# KiCad board rabbit_mask.kicad_pcb (continued)
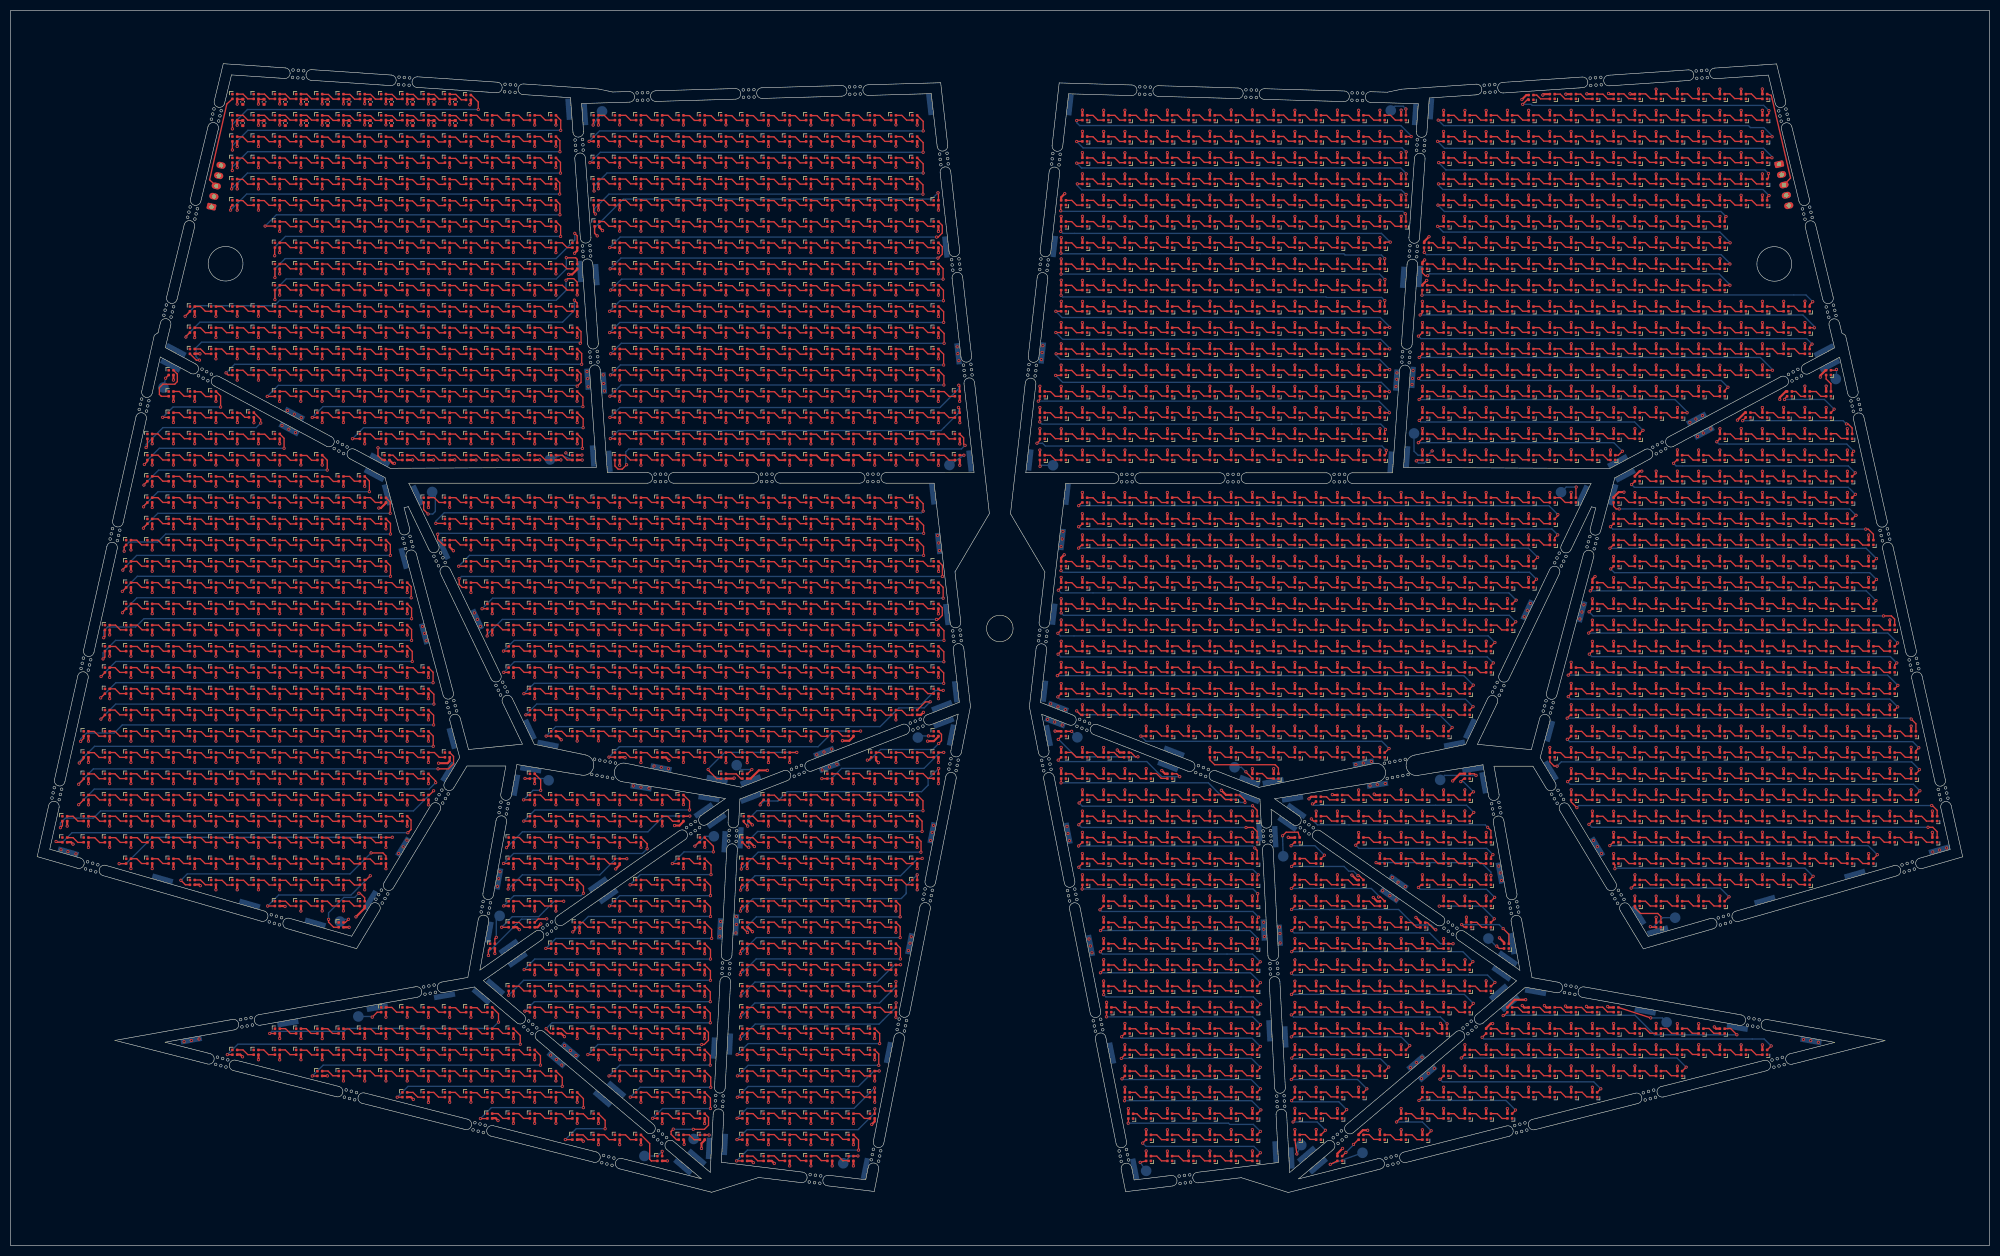
[diagram p0: board, top side]
## Nets (continued)
VCC: C1485.1 C1485#2.1 C1485#3.1 C1485#4.1 C1485#5.1 C1485#6.1 C1485#7.1 C1485#8.1 C1485#9.1 C1485#10.1 C1485#11.1 C1485#12.1 C1485#13.1 C1485#14.1 C1485#15.1 C1485#16.1 C1485#17.1 C1485#18.1 C1485#19.1 C1485#20.1 C1485#21.1 C1485#22.1 D1.2 D2.2 D3.2 D4.2 D5.2 D6.2 D7.2 D8.2 D9.2 D10.2 D11.2 D12.2 D13.2 D14.2 D15.2 D16.2 D17.2 D18.2 D19.2 D20.2 D21.2 D22.2 D23.2 D24.2 D25.2 D26.2 D27.2 D28.2 D29.2 D30.2 D31.2 D32.2 D33.2 D34.2 D35.2 D36.2 D37.2 D38.2 D39.2 D40.2 D41.2 D42.2 D43.2 D44.2 D45.2 D46.2 D47.2 D48.2 D49.2 D50.2 D51.2 D52.2 D53.2 D54.2 D55.2 D56.2 D57.2 D58.2 D59.2 D60.2 D61.2 D62.2 D63.2 D64.2 D65.2 D66.2 D67.2 D68.2 D69.2 D70.2 D71.2 D72.2 D73.2 D74.2 D75.2 D76.2 D77.2 D78.2 D79.2 D80.2 D81.2 D82.2 D83.2 D84.2 D85.2 D86.2 D87.2 D88.2 D89.2 D90.2 D91.2 D92.2 D93.2 D94.2 D95.2 D96.2 D97.2 D98.2 D99.2 D100.2 D101.2 D102.2 D103.2 D104.2 D105.2 D106.2 D107.2 D108.2 D110.2 D111.2 D112.2 D113.2 D114.2 D115.2 D116.2 D117.2 D118.2 D119.2 D120.2 D121.2 D122.2 D123.2 D124.2 D125.2 D126.2 D127.2 D128.2 D129.2 D130.2 D131.2 D132.2 D133.2 D134.2 D135.2 D136.2 D137.2 D138.2 D139.2 D140.2 D141.2 D143.2 D144.2 D145.2 D146.2 D147.2 D148.2 D149.2 D150.2 D151.2 D152.2 D153.2 D154.2 D155.2 D156.2 D157.2 D158.2 D159.2 D160.2 D161.2 D162.2 D163.2 D164.2 D165.2 D166.2 D167.2 D168.2 D169.2 D170.2 D171.2 D172.2 D173.2 D174.2 D175.2 D179.2 D180.2 D181.2 D182.2 D183.2 D184.2 D185.2 D186.2 D187.2 D188.2 D189.2 D190.2 D191.2 D192.2 D193.2 D194.2 D195.2 D196.2 D197.2 D198.2 D199.2 D200.2 D201.2 D202.2 D203.2 D204.2 D205.2 D206.2 D207.2 D208.2 D209.2 D210.2 D211.2 D212.2 D213.2 D214.2 D215.2 D216.2 D217.2 D218.2 D219.2 D220.2 D221.2 D222.2 D223.2 D224.2 D225.2 D226.2 D227.2 D228.2 D229.2 D230.2 D231.2 D232.2 D233.2 D234.2 D235.2 D236.2 D237.2 D238.2 D239.2 D240.2 D241.2 D242.2 D243.2 D244.2 D245.2 D246.2 D247.2 D248.2 D249.2 D250.2 D251.2 D252.2 D253.2 D254.2 D255.2 D256.2 D257.2 D258.2 D259.2 D260.2 D261.2 D262.2 D263.2 D264.2 D265.2 D266.2 D267.2 D268.2 D269.2 D270.2 D271.2 D272.2 D273.2 D274.2 D275.2 D276.2 D277.2 D278.2 D279.2 D280.2 D281.2 D282.2 D283.2 D284.2 D285.2 D286.2 D287.2 D288.2 D289.2 D290.2 D291.2 D292.2 D293.2 D294.2 D295.2 D296.2 D297.2 D298.2 D299.2 D300.2 D301.2 D302.2 D303.2 D304.2 D305.2 D306.2 D307.2 D308.2 D309.2 D310.2 D311.2 D312.2 D313.2 D314.2 D315.2 D316.2 D317.2 D318.2 D319.2 D320.2 D321.2 D322.2 D323.2 D324.2 D325.2 D326.2 D327.2 D328.2 D329.2 D330.2 D331.2 D332.2 D333.2 D334.2 D335.2 D336.2 D337.2 D338.2 D339.2 D340.2 D341.2 D342.2 D343.2 D344.2 D345.2 D346.2 D347.2 D348.2 D349.2 D350.2 D351.2 D352.2 D353.2 D354.2 D355.2 D356.2 D357.2 D358.2 D359.2 D360.2 D361.2 D362.2 D363.2 D364.2 D365.2 D366.2 D367.2 D368.2 D369.2 D370.2 D371.2 D372.2 D373.2 D374.2 D375.2 D376.2 D377.2 D378.2 D379.2 D380.2 D381.2 D382.2 D383.2 D384.2 D385.2 D386.2 D387.2 D388.2 D389.2 D390.2 D391.2 D392.2 D393.2 D394.2 D395.2 D396.2 D397.2 D398.2 D399.2 D400.2 D401.2 D402.2 D403.2 D404.2 D405.2 D406.2 D407.2 D408.2 D409.2 D410.2 D411.2 D412.2 D413.2 D414.2 D415.2 D416.2 D417.2 D418.2 D419.2 D420.2 D421.2 D422.2 D423.2 D424.2 D425.2 D426.2 D427.2 D428.2 D429.2 D430.2 D431.2 D432.2 D433.2 D434.2 D435.2 D436.2 D437.2 D438.2 D439.2 D440.2 D441.2 D442.2 D443.2 D444.2 D445.2 D446.2 D447.2 D448.2 D449.2 D450.2 D451.2 D452.2 D453.2 D454.2 D455.2 D456.2 D457.2 D458.2 D459.2 D460.2 D461.2 D462.2 D463.2 D464.2 D465.2 D466.2 D467.2 D468.2 D469.2 D470.2 D471.2 D472.2 D473.2 D474.2 D475.2 D476.2 D477.2 D478.2 D479.2 D480.2 D481.2 D482.2 D483.2 D484.2 D485.2 D486.2 D487.2 D488.2 D489.2 D490.2 D491.2 D492.2 D493.2 D494.2 D495.2 D496.2 D497.2 D498.2 D499.2 D500.2 D501.2 D502.2 D503.2 D504.2 D505.2 D506.2 D507.2 D508.2 D509.2 D510.2 D511.2 D512.2 D513.2 D514.2 D515.2 D516.2 D517.2 D518.2 D519.2 D520.2 D521.2 D522.2 D523.2 D524.2 D525.2 D526.2 D527.2 D528.2 D529.2 D530.2 D531.2 D532.2 D533.2 D534.2 D535.2 D536.2 D537.2 D538.2 D539.2 D540.2 D541.2 D542.2 D543.2 D544.2 D545.2 D546.2 D547.2 D548.2 D549.2 D550.2 D551.2 D552.2 D553.2 D554.2 D555.2 D556.2 D557.2 D558.2 D559.2 D560.2 D561.2 D562.2 D563.2 D564.2 D565.2 D566.2 D567.2 D568.2 D569.2 D570.2 D571.2 D572.2 D573.2 D574.2 D575.2 D576.2 D577.2 D578.2 D579.2 D580.2 D581.2 D582.2 D583.2 D584.2 D585.2 D586.2 D587.2 D588.2 D589.2 D590.2 D591.2 D592.2 D593.2 D594.2 D595.2 D596.2 D597.2 D598.2 D599.2 D600.2 D601.2 D602.2 D603.2 D604.2 D605.2 D606.2 D607.2 D608.2 D609.2 D610.2 D611.2 D612.2 D613.2 D614.2 D615.2 D616.2 D617.2 D618.2 D619.2 D620.2 D621.2 D622.2 D623.2 D624.2 D625.2 D626.2 D627.2 D628.2 D629.2 D630.2 D631.2 D632.2 D633.2 D634.2 D635.2 D636.2 D637.2 D638.2 D639.2 D640.2 D641.2 D642.2 D643.2 D644.2 D645.2 D646.2 D647.2 D648.2 D649.2 D650.2 D651.2 D652.2 D653.2 D654.2 D655.2 D656.2 D657.2 D658.2 D659.2 D660.2 D661.2 D662.2 D663.2 D664.2 D665.2 D666.2 D667.2 D668.2 D669.2 D670.2 D671.2 D672.2 D673.2 D674.2 D675.2 D676.2 D677.2 D678.2 D679.2 D680.2 D681.2 D682.2 D683.2 D684.2 D685.2 D686.2 D687.2 D688.2 D689.2 D690.2 D691.2 D692.2 D693.2 D694.2 D695.2 D696.2 D697.2 D698.2 D699.2 D700.2 D701.2 D702.2 D703.2 D704.2 D705.2 D706.2 D707.2 D708.2 D709.2 D710.2 D711.2 D712.2 D713.2 D714.2 D715.2 D716.2 D717.2 D718.2 D719.2 D720.2 D721.2 D722.2 D723.2 D724.2 D725.2 D726.2 D727.2 D728.2 D729.2 D730.2 D731.2 D732.2 D733.2 D734.2 D735.2 D736.2 D737.2 D738.2 D739.2 D740.2 D741.2 D742.2 D743.2 D744.2 D745.2 D746.2 D747.2 D748.2 D749.2 D750.2 D751.2 D752.2 D753.2 D754.2 D755.2 D756.2 D757.2 D758.2 D759.2 D760.2 D761.2 D762.2 D763.2 D764.2 D765.2 D766.2 D767.2 D768.2 D769.2 D770.2 D771.2 D772.2 D773.2 D774.2 D775.2 D776.2 D777.2 D778.2 D779.2 D780.2 D781.2 D782.2 D783.2 D784.2 D785.2 D786.2 D787.2 D788.2 D789.2 D790.2 D791.2 D792.2 D793.2 D794.2 D795.2 D796.2 D797.2 D798.2 D799.2 D800.2 D801.2 D802.2 D803.2 D804.2 D805.2 D806.2 D807.2 D808.2 D809.2 D810.2 D811.2 D812.2 D813.2 D814.2 D815.2 D816.2 D817.2 D818.2 D819.2 D820.2 D821.2 D822.2 D823.2 D824.2 D825.2 D826.2 D827.2 D828.2 D829.2 D830.2 D831.2 D832.2 D833.2 D834.2 D835.2 D836.2 D837.2 D838.2 D839.2 D840.2 D841.2 D842.2 D843.2 D844.2 D845.2 D846.2 D847.2 D848.2 D849.2 D850.2 D851.2 D852.2 D853.2 D854.2 D855.2 D856.2 D857.2 D858.2 D859.2 D860.2 D861.2 D862.2 D863.2 D864.2 D865.2 D866.2 D867.2 D868.2 D869.2 D870.2 D871.2 D872.2 D873.2 D874.2 D875.2 D876.2 D877.2 D878.2 D879.2 D880.2 D881.2 D882.2 D883.2 D884.2 D885.2 D886.2 D887.2 D888.2 D889.2 D890.2 D891.2 D892.2 D893.2 D894.2 D895.2 D896.2 D897.2 D898.2 D899.2 D900.2 D901.2 D902.2 D903.2 D904.2 D905.2 D906.2 D907.2 D908.2 D909.2 D910.2 D911.2 D912.2 D913.2 D914.2 D915.2 D916.2 D917.2 D918.2 D919.2 D920.2 D921.2 D922.2 D923.2 D924.2 D925.2 D926.2 D927.2 D928.2 D929.2 D930.2 D931.2 D932.2 D933.2 D934.2 D935.2 D936.2 D937.2 D938.2 D939.2 D940.2 D941.2 D942.2 D943.2 D944.2 D945.2 D946.2 D947.2 D948.2 D949.2 D950.2 D951.2 D952.2 D953.2 D954.2 D955.2 D956.2 D957.2 D958.2 D959.2 D960.2 D961.2 D962.2 D963.2 D964.2 D965.2 D966.2 D967.2 D968.2 D969.2 D970.2 D971.2 D972.2 D973.2 D974.2 D975.2 D976.2 D977.2 D978.2 D979.2 D980.2 D981.2 D982.2 D983.2 D984.2 D985.2 D986.2 D987.2 D988.2 D989.2 D990.2 D991.2 D992.2 D993.2 D994.2 D995.2 D996.2 D997.2 D998.2 D999.2 D1000.2 D1001.2 D1002.2 D1003.2 D1004.2 D1005.2 D1006.2 D1007.2 D1008.2 D1009.2 D1010.2 D1011.2 D1012.2 D1013.2 D1014.2 D1015.2 D1016.2 D1017.2 D1018.2 D1019.2 D1020.2 D1021.2 D1022.2 D1023.2 D1024.2 D1025.2 D1026.2 D1027.2 D1028.2 D1029.2 D1030.2 D1031.2 D1032.2 D1033.2 D1034.2 D1035.2 D1036.2 D1037.2 D1038.2 D1039.2 D1040.2 D1041.2 D1042.2 D1043.2 D1044.2 D1045.2 D1046.2 D1047.2 D1048.2 D1049.2 D1050.2 D1051.2 D1052.2 D1053.2 D1054.2 D1055.2 D1056.2 D1057.2 D1058.2 D1059.2 D1060.2 D1061.2 D1062.2 D1063.2 D1064.2 D1065.2 D1066.2 D1067.2 D1068.2 D1069.2 D1070.2 D1071.2 D1072.2 D1073.2 D1074.2 D1075.2 D1076.2 D1077.2 D1078.2 D1079.2 D1080.2 D1081.2 D1082.2 D1083.2 D1084.2 D1085.2 D1086.2 D1087.2 D1088.2 D1089.2 D1090.2 D1091.2 D1092.2 D1093.2 D1094.2 D1095.2 D1096.2 D1097.2 D1098.2 D1099.2 D1100.2 D1101.2 D1102.2 D1103.2 D1104.2 D1105.2 D1106.2 D1107.2 D1108.2 D1109.2 D1110.2 D1111.2 D1112.2 D1113.2 D1114.2 D1115.2 D1116.2 D1117.2 D1118.2 D1119.2 D1120.2 D1121.2 D1122.2 D1123.2 D1124.2 D1125.2 D1126.2 D1127.2 D1128.2 D1129.2 D1130.2 D1131.2 D1132.2 D1133.2 D1134.2 D1135.2 D1136.2 D1137.2 D1138.2 D1139.2 D1140.2 D1141.2 D1142.2 D1143.2 D1144.2 D1145.2 D1146.2 D1147.2 D1148.2 D1149.2 D1150.2 D1151.2 D1152.2 D1153.2 D1154.2 D1155.2 D1156.2 D1157.2 D1158.2 D1159.2 D1160.2 D1161.2 D1162.2 D1163.2 D1164.2 D1165.2 D1166.2 D1167.2 D1168.2 D1169.2 D1170.2 D1171.2 D1172.2 D1173.2 D1174.2 D1175.2 D1176.2 D1177.2 D1178.2 D1179.2 D1180.2 D1181.2 D1182.2 D1183.2 D1184.2 D1185.2 D1186.2 D1187.2 D1188.2 D1189.2 D1190.2 D1191.2 D1192.2 D1193.2 D1194.2 D1195.2 D1196.2 D1197.2 D1198.2 D1199.2 D1200.2 D1201.2 D1202.2 D1203.2 D1204.2 D1205.2 D1206.2 D1207.2 D1208.2 D1209.2 D1210.2 D1211.2 D1212.2 D1213.2 D1214.2 D1215.2 D1216.2 D1217.2 D1218.2 D1219.2 D1220.2 D1221.2 D1222.2 D1223.2 D1224.2 D1225.2 D1226.2 D1227.2 D1228.2 D1229.2 D1230.2 D1231.2 D1232.2 D1233.2 D1234.2 D1235.2 D1236.2 D1237.2 D1238.2 D1239.2 D1240.2 D1241.2 D1242.2 D1243.2 D1244.2 D1245.2 D1246.2 D1247.2 D1248.2 D1249.2 D1250.2 D1251.2 D1252.2 D1253.2 D1254.2 D1255.2 D1256.2 D1257.2 D1258.2 D1259.2 D1260.2 D1261.2 D1262.2 D1263.2 D1264.2 D1265.2 D1266.2 D1267.2 D1268.2 D1269.2 D1270.2 D1271.2 D1272.2 D1273.2 D1274.2 D1275.2 D1276.2 D1277.2 D1278.2 D1279.2 D1280.2 D1281.2 D1282.2 D1283.2 D1284.2 D1285.2 D1286.2 D1287.2 D1288.2 D1289.2 D1290.2 D1291.2 D1292.2 D1293.2 D1294.2 D1295.2 D1296.2 D1297.2 D1298.2 D1299.2 D1300.2 D1301.2 D1302.2 D1303.2 D1304.2 D1305.2 D1306.2 D1307.2 D1308.2 D1309.2 D1310.2 D1311.2 D1312.2 D1313.2 D1314.2 D1315.2 D1316.2 D1317.2 D1318.2 D1319.2 D1320.2 D1321.2 D1322.2 D1323.2 D1324.2 D1325.2 D1326.2 D1327.2 D1328.2 D1329.2 D1330.2 D1331.2 D1332.2 D1333.2 D1334.2 D1335.2 D1336.2 D1337.2 D1338.2 D1339.2 D1340.2 D1341.2 D1342.2 D1343.2 D1344.2 D1345.2 D1346.2 D1347.2 D1348.2 D1349.2 D1350.2 D1351.2 D1352.2 D1353.2 D1354.2 D1355.2 D1356.2 D1357.2 D1358.2 D1359.2 D1360.2 D1361.2 D1362.2 D1363.2 D1364.2 D1365.2 D1366.2 D1367.2 D1368.2 D1369.2 D1370.2 D1371.2 D1372.2 D1373.2 D1374.2 D1375.2 D1376.2 D1377.2 D1378.2 D1379.2 D1380.2 D1381.2 D1382.2 D1383.2 D1384.2 D1385.2 D1386.2 D1387.2 D1388.2 D1389.2 D1390.2 D1391.2 D1392.2 D1393.2 D1394.2 D1395.2 D1396.2 D1397.2 D1398.2 D1399.2 D1400.2 D1401.2 D1402.2 D1403.2 D1404.2 D1405.2 D1406.2 D1407.2 D1408.2 D1409.2 D1410.2 D1411.2 D1412.2 D1413.2 D1414.2 D1415.2 D1416.2 D1417.2 D1418.2 D1419.2 D1420.2 D1421.2 D1422.2 D1423.2 D1424.2 D1425.2 D1426.2 D1427.2 D1428.2 D1429.2 D1430.2 D1431.2 D1432.2 D1433.2 D1434.2 D1435.2 D1436.2 D1437.2 D1438.2 D1439.2 D1440.2 D1441.2 D1442.2 D1443.2 D1444.2 D1445.2 D1446.2 D1447.2 D1448.2 D1449.2 D1450.2 D1451.2 D1452.2 D1453.2 D1454.2 D1455.2 D1456.2 D1457.2 D1458.2 D1459.2 D1460.2 D1461.2 D1462.2 D1463.2 D1464.2 D1465.2 D1466.2 D1467.2 D1468.2 D1469.2 D1470.2 D1471.2 D1472.2 D1473.2 D1474.2 D1475.2 D1476.2 D1477.2 D1478.2 D1479.2 D1480.2 D1481.2 D1482.2 D1483.2 D1484.2 D1485.2 D1486.2 D1487.2 D1488.2 D1489.2 D1490.2 D1491.2 D1492.2 D1493.2 D1494.2 D1495.2 D1496.2 D1497.2 D1498.2 D1499.2 D1500.2 D1501.2 D1502.2 D1503.2 D1504.2 D1505.2 D1506.2 D1507.2 D1508.2 D1509.2 D1510.2 D1511.2 D1512.2 D1513.2 D1514.2 D1515.2 D1516.2 D1517.2 D1518.2 D1519.2 D1520.2 D1521.2 D1522.2 D1523.2 D1524.2 D1525.2 D1526.2 D1527.2 D1528.2 D1529.2 D1530.2 D1531.2 D1532.2 D1533.2 D1534.2 D1535.2 D1536.2 D1537.2 D1538.2 D1539.2 D1540.2 D1541.2 D1542.2 D1543.2 D1544.2 D1545.2 D1546.2 D1547.2 D1548.2 D1549.2 D1550.2 D1551.2 D1552.2 D1553.2 D1554.2 D1555.2 D1556.2 D1557.2 D1558.2 D1559.2 D1560.2 D1561.2 D1562.2 D1563.2 D1564.2 D1565.2 D1566.2 D1567.2 D1568.2 D1569.2 D1570.2 D1571.2 D1572.2 D1573.2 D1574.2 D1575.2 D1576.2 D1577.2 D1578.2 D1579.2 D1580.2 D1581.2 D1582.2 D1583.2 D1584.2 D1585.2 D1586.2 D1587.2 D1588.2 D1589.2 D1590.2 D1591.2 D1592.2 D1593.2 D1594.2 D1595.2 D1596.2 D1597.2 D1598.2 D1599.2 D1600.2 D1601.2 D1602.2 D1603.2 D1604.2 D1605.2 D1606.2 D1607.2 D1608.2 D1609.2 D1610.2 D1611.2 D1612.2 D1613.2 D1614.2 D1615.2 D1616.2 D1617.2 D1618.2 D1619.2 D1620.2 D1621.2 D1622.2 D1623.2 D1624.2 D1625.2 D1626.2 D1627.2 D1628.2 D1629.2 D1630.2 D1631.2 D1632.2 D1633.2 D1634.2 D1635.2 D1636.2 D1637.2 D1638.2 D1639.2 D1640.2 D1641.2 D1642.2 D1643.2 D1644.2 D1645.2 D1646.2 D1647.2 D1648.2 D1649.2 D1650.2 D1651.2 D1652.2 D1653.2 D1654.2 D1655.2 D1656.2 D1657.2 D1658.2 D1659.2 D1660.2 D1661.2 D1662.2 D1663.2 D1664.2 D1665.2 D1666.2 D1667.2 D1668.2 D1669.2 D1670.2 D1671.2 D1672.2 D1673.2 D1674.2 D1675.2 D1676.2 D1677.2 D1678.2 D1679.2 D1680.2 D1681.2 D1682.2 D1683.2 D1684.2 D1685.2 D1686.2 D1687.2 D1688.2 D1689.2 D1690.2 D1694.2 D1695.2 D1696.2 D1697.2 D1698.2 D1699.2 D1700.2 D1701.2 D1702.2 D1703.2 D1704.2 D1705.2 D1706.2 D1707.2 D1708.2 D1709.2 D1710.2 D1711.2 D1712.2 D1713.2 D1714.2 D1715.2 D1716.2 D1717.2 D1718.2 D1719.2 D1720.2 D1721.2 D1722.2 D1723.2 D1724.2 D1725.2 D1726.2 D1727.2 D1728.2 D1729.2 D1730.2 D1731.2 D1732.2 D1733.2 D1734.2 D1735.2 D1736.2 D1737.2 D1738.2 D1739.2 D1740.2 D1741.2 D1742.2 D1743.2 D1744.2 D1745.2 D1746.2 D1747.2 D1748.2 D1749.2 D1750.2 D1751.2 D1752.2 D1753.2 D1754.2 D1755.2 D1756.2 D1757.2 D1758.2 D1759.2 D1760.2 D1761.2 D1762.2 D1763.2 D1764.2 D1765.2 D1766.2 D1767.2 D1768.2 D1769.2 D1770.2 D1771.2 D1772.2 D1773.2 D1774.2 D1775.2 D1776.2 D1777.2 D1778.2 D1779.2 D1780.2 D1781.2 D1782.2 D1783.2 D1784.2 D1785.2 D1786.2 D1787.2 D1788.2 D1789.2 D1790.2 D1791.2 D1792.2 D1793.2 D1794.2 D1795.2 D1796.2 D1797.2 D1798.2 D1799.2 D1800.2 D1801.2 D1802.2 D1803.2 D1804.2 D1805.2 D1806.2 D1807.2 D1808.2 D1809.2 D1810.2 D1811.2 D1812.2 D1813.2 D1814.2 D1815.2 D1816.2 D1817.2 D1818.2 D1819.2 D1820.2 D1821.2 D1822.2 D1823.2 D1824.2 D1825.2 D1826.2 D1827.2 D1828.2 D1829.2 D1830.2 D1831.2 D1832.2 D1833.2 D1834.2 D1835.2 D1836.2 D1837.2 D1838.2 D1839.2 D1840.2 D1841.2 D1842.2 D1843.2 D1844.2 D1845.2 D1846.2 D1847.2 D1848.2 D1849.2 D1850.2 D1851.2 D1852.2 D1853.2 D1854.2 D1855.2 D1856.2 D1857.2 D1858.2 D1859.2 D1860.2 D1861.2 D1862.2 D1863.2 D1864.2 D1865.2 D1866.2 D1867.2 D1868.2 D1869.2 D1870.2 D1871.2 D1872.2 D1873.2 D1874.2 D1875.2 D1876.2 D1877.2 D1878.2 D1879.2 D1880.2 D1881.2 D1882.2 D1883.2 D1884.2 D1885.2 D1886.2 D1887.2 D1888.2 D1889.2 D1890.2 D1891.2 D1892.2 D1893.2 D1894.2 D1895.2 D1896.2 D1897.2 D1898.2 D1899.2 D1900.2 D1901.2 D1902.2 D1903.2 D1904.2 D1905.2 D1906.2 D1907.2 D1908.2 D1909.2 D1910.2 D1911.2 D1912.2 D1913.2 D1914.2 D1915.2 D1916.2 D1917.2 D1918.2 D1919.2 D1920.2 D1921.2 D1922.2 D1923.2 D1924.2 D1925.2 D1926.2 D1927.2 D1928.2 D1929.2 D1930.2 D1931.2 D1932.2 D1933.2 D1934.2 D1935.2 D1936.2 D1937.2 D1938.2 D1939.2 D1940.2 D1941.2 D1942.2 D1943.2 D1944.2 D1945.2 D1946.2 D1947.2 D1948.2 D1949.2 D1950.2 D1951.2 D1952.2 D1953.2 D1954.2 D1955.2 D1956.2 D1957.2 D1958.2 D1959.2 D1960.2 D1961.2 D1962.2 D1963.2 D1964.2 D1965.2 D1966.2 D1967.2 D1968.2 D1969.2 D1970.2 D1971.2 D1972.2 D1973.2 D1974.2 D1975.2 D1976.2 D1977.2 D1978.2 D1979.2 D1980.2 D1981.2 D1982.2 D1983.2 D1984.2 D1985.2 D1986.2 D1987.2 D1988.2 D1989.2 D1990.2 D1991.2 D1992.2 D1993.2 D1994.2 D1995.2 D1996.2 D1997.2 D1998.2 D1999.2 D2000.2 D2001.2 D2002.2 D2003.2 D2004.2 D2005.2 D2006.2 D2007.2 D2008.2 D2009.2 D2010.2 D2011.2 D2012.2 D2013.2 D2014.2 D2015.2 D2016.2 D2017.2 D2018.2 D2019.2 D2020.2 D2021.2 D2022.2 D2023.2 D2024.2 D2025.2 D2026.2 D2027.2 D2028.2 D2029.2 D2030.2 D2031.2 D2032.2 D2033.2 D2034.2 D2035.2 D2036.2 D2037.2 D2038.2 D2039.2 D2040.2 D2041.2 D2042.2 D2043.2 D2044.2 D2045.2 D2046.2 D2047.2 D2048.2 D2049.2 D2050.2 D2051.2 D2052.2 D2053.2 D2054.2 D2055.2 D2056.2 D2057.2 D2058.2 D2059.2 D2060.2 D2061.2 D2062.2 D2063.2 D2064.2 D2065.2 D2066.2 D2067.2 D2068.2 D2069.2 D2070.2 D2071.2 D2072.2 D2073.2 D2074.2 D2075.2 D2076.2 D2077.2 D2078.2 D2079.2 D2080.2 D2081.2 D2082.2 D2083.2 D2084.2 D2085.2 D2086.2 D2087.2 D2088.2 D2089.2 D2090.2 D2091.2 D2092.2 D2093.2 D2094.2 D2095.2 D2096.2 D2097.2 D2098.2 D2099.2 D2100.2 D2101.2 D2102.2 D2103.2 D2104.2 D2105.2 D2106.2 D2107.2 D2108.2 D2109.2 D2110.2 D2111.2 D2112.2 D2113.2 D2114.2 D2115.2 D2116.2 D2117.2 D2118.2 D2119.2 D2120.2 D2121.2 D2122.2 D2123.2 D2124.2 D2125.2 D2126.2 D2127.2 D2128.2 D2129.2 D2130.2 D2131.2 D2132.2 D2133.2 D2134.2 D2135.2 D2136.2 D2137.2 D2138.2 D2139.2 D2140.2 D2141.2 D2142.2 D2143.2 D2144.2 D2145.2 D2146.2 D2147.2 D2148.2 D2149.2 D2150.2 D2151.2 D2152.2 D2153.2 D2154.2 D2155.2 D2156.2 D2157.2 D2158.2 D2159.2 D2160.2 D2161.2 D2162.2 D2163.2 D2164.2 D2165.2 D2166.2 D2167.2 D2168.2 D2169.2 D2170.2 D2171.2 D2172.2 D2173.2 D2174.2 D2175.2 D2176.2 D2177.2 D2178.2 D2179.2 D2180.2 D2181.2 D2182.2 D2183.2 D2184.2 D2185.2 D2186.2 D2187.2 D2188.2 D2189.2 D2190.2 D2191.2 D2192.2 D2193.2 D2194.2 D2195.2 D2196.2 D2197.2 D2198.2 D2199.2 D2200.2 D2201.2 D2202.2 D2203.2 D2204.2 D2205.2 D2206.2 D2207.2 D2208.2 D2209.2 D2210.2 D2211.2 D2212.2 D2213.2 D2214.2 D2215.2 D2216.2 D2217.2 D2218.2 D2219.2 D2220.2 D2221.2 D2222.2 D2223.2 D2224.2 D2225.2 D2226.2 D2227.2 D2228.2 D2229.2 D2230.2 D2231.2 D2232.2 D2233.2 D2234.2 D2235.2 D2236.2 D2237.2 D2238.2 D2239.2 D2240.2 D2241.2 D2242.2 D2243.2 D2244.2 D2245.2 D2246.2 D2247.2 D2248.2 D2249.2 D2250.2 D2251.2 D2252.2 D2253.2 D2254.2 D2255.2 D2256.2 D2257.2 D2258.2 D2259.2 D2260.2 D2261.2 D2262.2 D2263.2 D2264.2 D2265.2 D2266.2 D2267.2 D2268.2 D2269.2 D2270.2 D2271.2 D2272.2 D2273.2 D2274.2 D2275.2 D2276.2 D2277.2 D2278.2 D2279.2 D2280.2 D2281.2 D2282.2 D2283.2 D2284.2 D2285.2 D2286.2 D2287.2 D2288.2 D2289.2 D2290.2 D2291.2 D2292.2 D2293.2 D2294.2 D2295.2 D2296.2 D2297.2 D2298.2 D2299.2 D2300.2 D2301.2 D2302.2 D2303.2 D2304.2 D2305.2 D2306.2 D2307.2 D2308.2 D2309.2 D2310.2 D2311.2 D2312.2 D2313.2 D2314.2 D2315.2 D2316.2 D2317.2 D2318.2 D2319.2 D2320.2 D2321.2 D2322.2 D2323.2 D2324.2 D2325.2 D2326.2 D2327.2 D2328.2 D2329.2 D2330.2 D2331.2 D2332.2 D2333.2 D2334.2 D2335.2 D2336.2 D2337.2 D2338.2 D2339.2 D2340.2 D2341.2 D2342.2 D2343.2 D2344.2 D2345.2 D2346.2 D2347.2 D2348.2 D2349.2 D2350.2 D2351.2 D2352.2 D2353.2 D2354.2 D2355.2 D2356.2 D2357.2 D2358.2 D2359.2 D2360.2 D2361.2 D2362.2 D2363.2 D2364.2 D2365.2 D2366.2 D2367.2 D2368.2 D2369.2 D2370.2 D2371.2 D2372.2 D2373.2 D2374.2 D2375.2 D2376.2 D2377.2 D2378.2 D2379.2 D2380.2 D2381.2 D2382.2 D2383.2 D2384.2 D2385.2 D2386.2 D2387.2 D2388.2 D2389.2 D2390.2 D2391.2 D2392.2 D2393.2 D2394.2 D2395.2 D2396.2 D2397.2 D2398.2 D2399.2 D2400.2 D2401.2 D2402.2 D2403.2 D2404.2 D2405.2 D2406.2 D2407.2 D2408.2 D2409.2 D2410.2 D2411.2 D2412.2 D2413.2 D2414.2 D2415.2 D2416.2 D2417.2 D2418.2 D2419.2 D2420.2 D2421.2 D2422.2 D2423.2 D2424.2 D2425.2 D2426.2 D2427.2 D2428.2 D2429.2 D2430.2 D2431.2 D2432.2 D2433.2 D2434.2 D2435.2 D2436.2 D2437.2 D2438.2 D2439.2 D2440.2 D2441.2 D2442.2 D2443.2 D2444.2 D2445.2 D2446.2 D2447.2 D2448.2 D2449.2 D2450.2 D2451.2 D2452.2 D2453.2 D2454.2 D2455.2 D2456.2 D2457.2 D2458.2 D2459.2 D2460.2 D2461.2 D2462.2 D2463.2 D2464.2 D2465.2 D2466.2 D2467.2 D2468.2 D2469.2 D2470.2 D2471.2 D2472.2 D2473.2 D2474.2 D2475.2 D2476.2 D2477.2 D2478.2 D2479.2 D2480.2 D2481.2 D2482.2 D2483.2 D2484.2 D2485.2 D2486.2 D2487.2 D2488.2 D2489.2 D2490.2 D2491.2 D2492.2 D2493.2 D2494.2 D2495.2 D2496.2 D2497.2 D2498.2 D2499.2 D2500.2 D2501.2 D2502.2 D2503.2 D2504.2 D2505.2 D2506.2 D2507.2 D2508.2 D2509.2 D2510.2 D2511.2 D2512.2 D2513.2 D2514.2 D2515.2 D2516.2 D2517.2 D2518.2 D2519.2 D2520.2 D2521.2 D2522.2 D2523.2 D2524.2 D2525.2 D2526.2 D2527.2 D2528.2 D2529.2 D2530.2 D2531.2 D2532.2 D2533.2 D2534.2 D2535.2 D2536.2 D2537.2 D2538.2 D2539.2 D2540.2 D2541.2 D2542.2 D2543.2 D2544.2 D2545.2 D2546.2 D2547.2 D2548.2 D2549.2 D2550.2 D2551.2 D2552.2 D2553.2 D2554.2 D2555.2 D2556.2 D2557.2 D2558.2 D2559.2 D2560.2 D2561.2 D2562.2 D2563.2 D2564.2 D2565.2 D2566.2 D2567.2 D2568.2 D2569.2 D2570.2 D2571.2 D2572.2 D2573.2 D2574.2 D2575.2 D2576.2 D2577.2 D2578.2 D2579.2 D2580.2 D2581.2 D2582.2 D2583.2 D2584.2 D2585.2 D2586.2 D2587.2 D2588.2 D2589.2 D2590.2 D2591.2 D2592.2 D2593.2 D2594.2 D2595.2 D2596.2 D2597.2 D2598.2 D2599.2 D2600.2 D2601.2 D2602.2 D2603.2 D2604.2 D2605.2 D2606.2 D2607.2 D2608.2 D2609.2 D2610.2 D2611.2 D2612.2 D2613.2 D2614.2 D2615.2 D2616.2 D2617.2 D2618.2 D2619.2 D2620.2 D2621.2 D2622.2 D2623.2 D2624.2 D2625.2 D2626.2 D2627.2 D2628.2 D2629.2 D2630.2 D2631.2 D2632.2 D2633.2 D2634.2 D2635.2 D2636.2 D2637.2 D2638.2 D2639.2 D2640.2 D2641.2 D2642.2 D2643.2 D2644.2 D2645.2 D2646.2 D2647.2 D2648.2 D2649.2 D2650.2 D2651.2 D2652.2 D2653.2 D2654.2 D2655.2 D2656.2 D2657.2 D2658.2 D2659.2 D2660.2 D2661.2 D2662.2 D2663.2 D2664.2 D2665.2 D2666.2 D2667.2 D2668.2 D2669.2 D2670.2 D2671.2 D2672.2 D2673.2 D2674.2 D2675.2 D2676.2 D2677.2 D2678.2 D2679.2 D2680.2 D2681.2 D2682.2 D2683.2 D2684.2 D2685.2 D2686.2 D2687.2 D2688.2 D2689.2 D2690.2 D2691.2 D2692.2 D2693.2 D2694.2 D2695.2 D2696.2 D2697.2 D2698.2 D2699.2 D2700.2 D2701.2 D2702.2 D2703.2 D2704.2 D2705.2 D2706.2 D2707.2 D2708.2 D2709.2 D2710.2 D2711.2 D2712.2 D2713.2 D2714.2 D2715.2 D2716.2 D2717.2 D2718.2 D2719.2 D2720.2 D2721.2 D2722.2 D2723.2 D2724.2 D2725.2 D2726.2 D2727.2 D2728.2 D2729.2 D2730.2 D2731.2 D2732.2 D2733.2 D2734.2 D2735.2 D2736.2 D2737.2 D2738.2 D2739.2 D2740.2 D2741.2 D2742.2 D2743.2 D2744.2 D2745.2 D2746.2 D2747.2 D2748.2 D2749.2 D2750.2 D2751.2 D2752.2 D2753.2 D2754.2 D2755.2 D2756.2 D2757.2 D2758.2 D2759.2 D2760.2 D2761.2 D2762.2 D2763.2 D2764.2 D2765.2 D2766.2 D2767.2 D2768.2 D2769.2 D2770.2 D2771.2 D2772.2 D2773.2 D2774.2 D2775.2 D2776.2 D2777.2 D2778.2 D2779.2 D2780.2 D2781.2 D2782.2 D2783.2 D2784.2 D2785.2 D2786.2 D2787.2 D2788.2 D2789.2 D2790.2 D2791.2 D2792.2 D2793.2 D2794.2 D2795.2 D2796.2 D2797.2 D2798.2 D2799.2 D2800.2 D2801.2 D2802.2 D2803.2 D2804.2 D2805.2 D2806.2 D2807.2 D2808.2 D2809.2 D2810.2 D2811.2 D2812.2 D2813.2 D2814.2 D2815.2 D2816.2 D2817.2 D2818.2 D2819.2 D2820.2 D2821.2 D2822.2 D2823.2 D2824.2 D2825.2 D2826.2 D2827.2 D2828.2 D2829.2 D2830.2 D2831.2 D2832.2 D2833.2 D2834.2 D2835.2 D2836.2 D2837.2 D2838.2 D2839.2 D2840.2 D2841.2 D2842.2 D2843.2 D2844.2 D2845.2 D2846.2 D2847.2 D2848.2 D2849.2 D2850.2 D2851.2 D2852.2 D2853.2 D2854.2 D2855.2 D2856.2 D2857.2 D2858.2 D2859.2 D2860.2 D2861.2 D2862.2 D2863.2 D2864.2 D2865.2 D2866.2 D2867.2 D2868.2 D2869.2 D2870.2 D2871.2 D2872.2 D2873.2 D2874.2 D2875.2 D2876.2 D2877.2 D2878.2 D2879.2 D2880.2 D2881.2 D2882.2 D2883.2 D2884.2 D2885.2 D2886.2 D2887.2 D2888.2 D2889.2 D2890.2 D2891.2 D2892.2 D2893.2 D2894.2 D2895.2 D2896.2 D2897.2 D2898.2 D2899.2 D2900.2 D2901.2 D2902.2 D2903.2 D2904.2 D2905.2 D2906.2 D2907.2 D2908.2 D2909.2 D2910.2 D2911.2 D2912.2 D2913.2 D2914.2 D2915.2 D2916.2 D2917.2 D2918.2 D2919.2 D2920.2 D2921.2 D2922.2 D2923.2 D2924.2 D2925.2 D2926.2 D2927.2 D2928.2 D2929.2 D2930.2 D2931.2 D2932.2 D2933.2 D2934.2 D2935.2 D2936.2 D2937.2 D2938.2 D2939.2 D2940.2 D2941.2 D2942.2 D2943.2 D2944.2 D2945.2 D2946.2 D2947.2 D2948.2 D2949.2 D2950.2 D2951.2 D2952.2 D2953.2 D2954.2 D2955.2 D2956.2 D2957.2 D2958.2 D2959.2 D2960.2 D2961.2 D2962.2 D2963.2 D2964.2 D2965.2 D2966.2 D2967.2 D2968.2 J1485.1 J1485.2 J1486.1 J1486.2 J1487.1 J1487#2.1 J1487#3.1 J1487#4.1 J1487#5.1 J1487#6.1 J1487#7.1 J1487#8.1 J1487#9.1 J1487#10.1 J1487#11.1 J1487#12.1 J1487#13.1 J1487#14.1 J1487#15.1 J1487#16.1 J1487#17.1 J1487#18.1 J1487#19.1 J1487#20.1 J1487#21.1 J1487#22.1 J1487#23.1 J1487#24.1 J1487#25.1 J1487#26.1 J1487#27.1 J1487#28.1 J1487#29.1 J1487#30.1 J1487#31.1 J1487#32.1 J1487#33.1 J1487#34.1 J1487#35.1 J1487#36.1 J1487#37.1 J1487#38.1 J1487#39.1 J1487#40.1 J1487#41.1 J1487#42.1 J1487#43.1 J1487#44.1 J1487#45.1 J1487#46.1 J1487#47.1 J1487#48.1 J1487#49.1 J1487#50.1 J1487#51.1 J1487#52.1 J1487#53.1 J1487#54.1 J1487#55.1 J1487#56.1 J1487#57.1 J1487#58.1 J1487#59.1 J1487#60.1 J1487#61.1 J1487#62.1 J1487#63.1 J1487#64.1 J1487#65.1 J1487#66.1 J1487#67.1 J1487#68.1 J1487#69.1 J1487#70.1 J1487#71.1 J1487#72.1 J1487#73.1 J1487#74.1 J1487#75.1 J1487#76.1 J1487#77.1 J1487#78.1 J1487#79.1 J1487#80.1 J1487#81.1 J1487#82.1 J1487#83.1 J1487#84.1 J1487#85.1 J1487#86.1 J1487#87.1 J1487#88.1 J1487#89.1 J1487#90.1 J1487#91.1 J1487#92.1 J1487#93.1 J1487#94.1 J1487#95.1 J1487#96.1 J1487#97.1 J1487#98.1 J1487#99.1 J1487#100.1 J1487#101.1 J1487#102.1 J1487#103.1 J1487#104.1 J1487#105.1 J1487#106.1 J1487#107.1 J1487#108.1 J1487#109.1 J1487#110.1 J1487#111.1 J1488.1 J1489.1 J1490.1 J1491.1 J1492.1
/1_IN: D1.1 J1485.3
/1_OUT: D1659.3 TP1500.1
/2_IN: D29.1 TP1501.1
/2_OUT: D582.3 TP1502.1
/3_IN: D408.1 TP1504.1
/3_OUT: D1258.3 TP1514.1
/4_IN: D606.1 TP1503.1
/4_OUT: D1074.3 TP1505.1
/5_IN: D1072.1 TP1510.1
/5_OUT: D1276.3 TP1511.1
/6_IN: D1328.1 TP1513.1
/6_OUT: D1478.3 TP1512.1
/7_IN: D1171.1 TP1509.1
/7_OUT: D1471.3 TP1508.1
/8_IN: D1023.1 TP1506.1
/8_OUT: D1484.3 TP1507.1
/right_side/9_IN: D1496.1 J1486.3
/right_side/9_OUT: D1625.3 TP1486.1
/right_side/10_IN: D1512.1 TP1493.1
/right_side/10_OUT: D2031.3 TP1485.1
/right_side/11_IN: D1925.1 TP1494.1
/right_side/11_OUT: D2759.3 TP1492.1
/right_side/12_IN: D2101.1 TP1495.1
/right_side/12_OUT: D2545.3 TP1487.1
/right_side/13_IN: D2547.1 TP1496.1
/right_side/13_OUT: D2776.3 TP1491.1
/right_side/14_IN: D2834.1 TP1499.1
/right_side/14_OUT: D2968.3 TP1490.1
/right_side/15_IN: D2641.1 TP1498.1